# Altium PCB MB1605.PcbDoc (part 5 of 11) (continued)
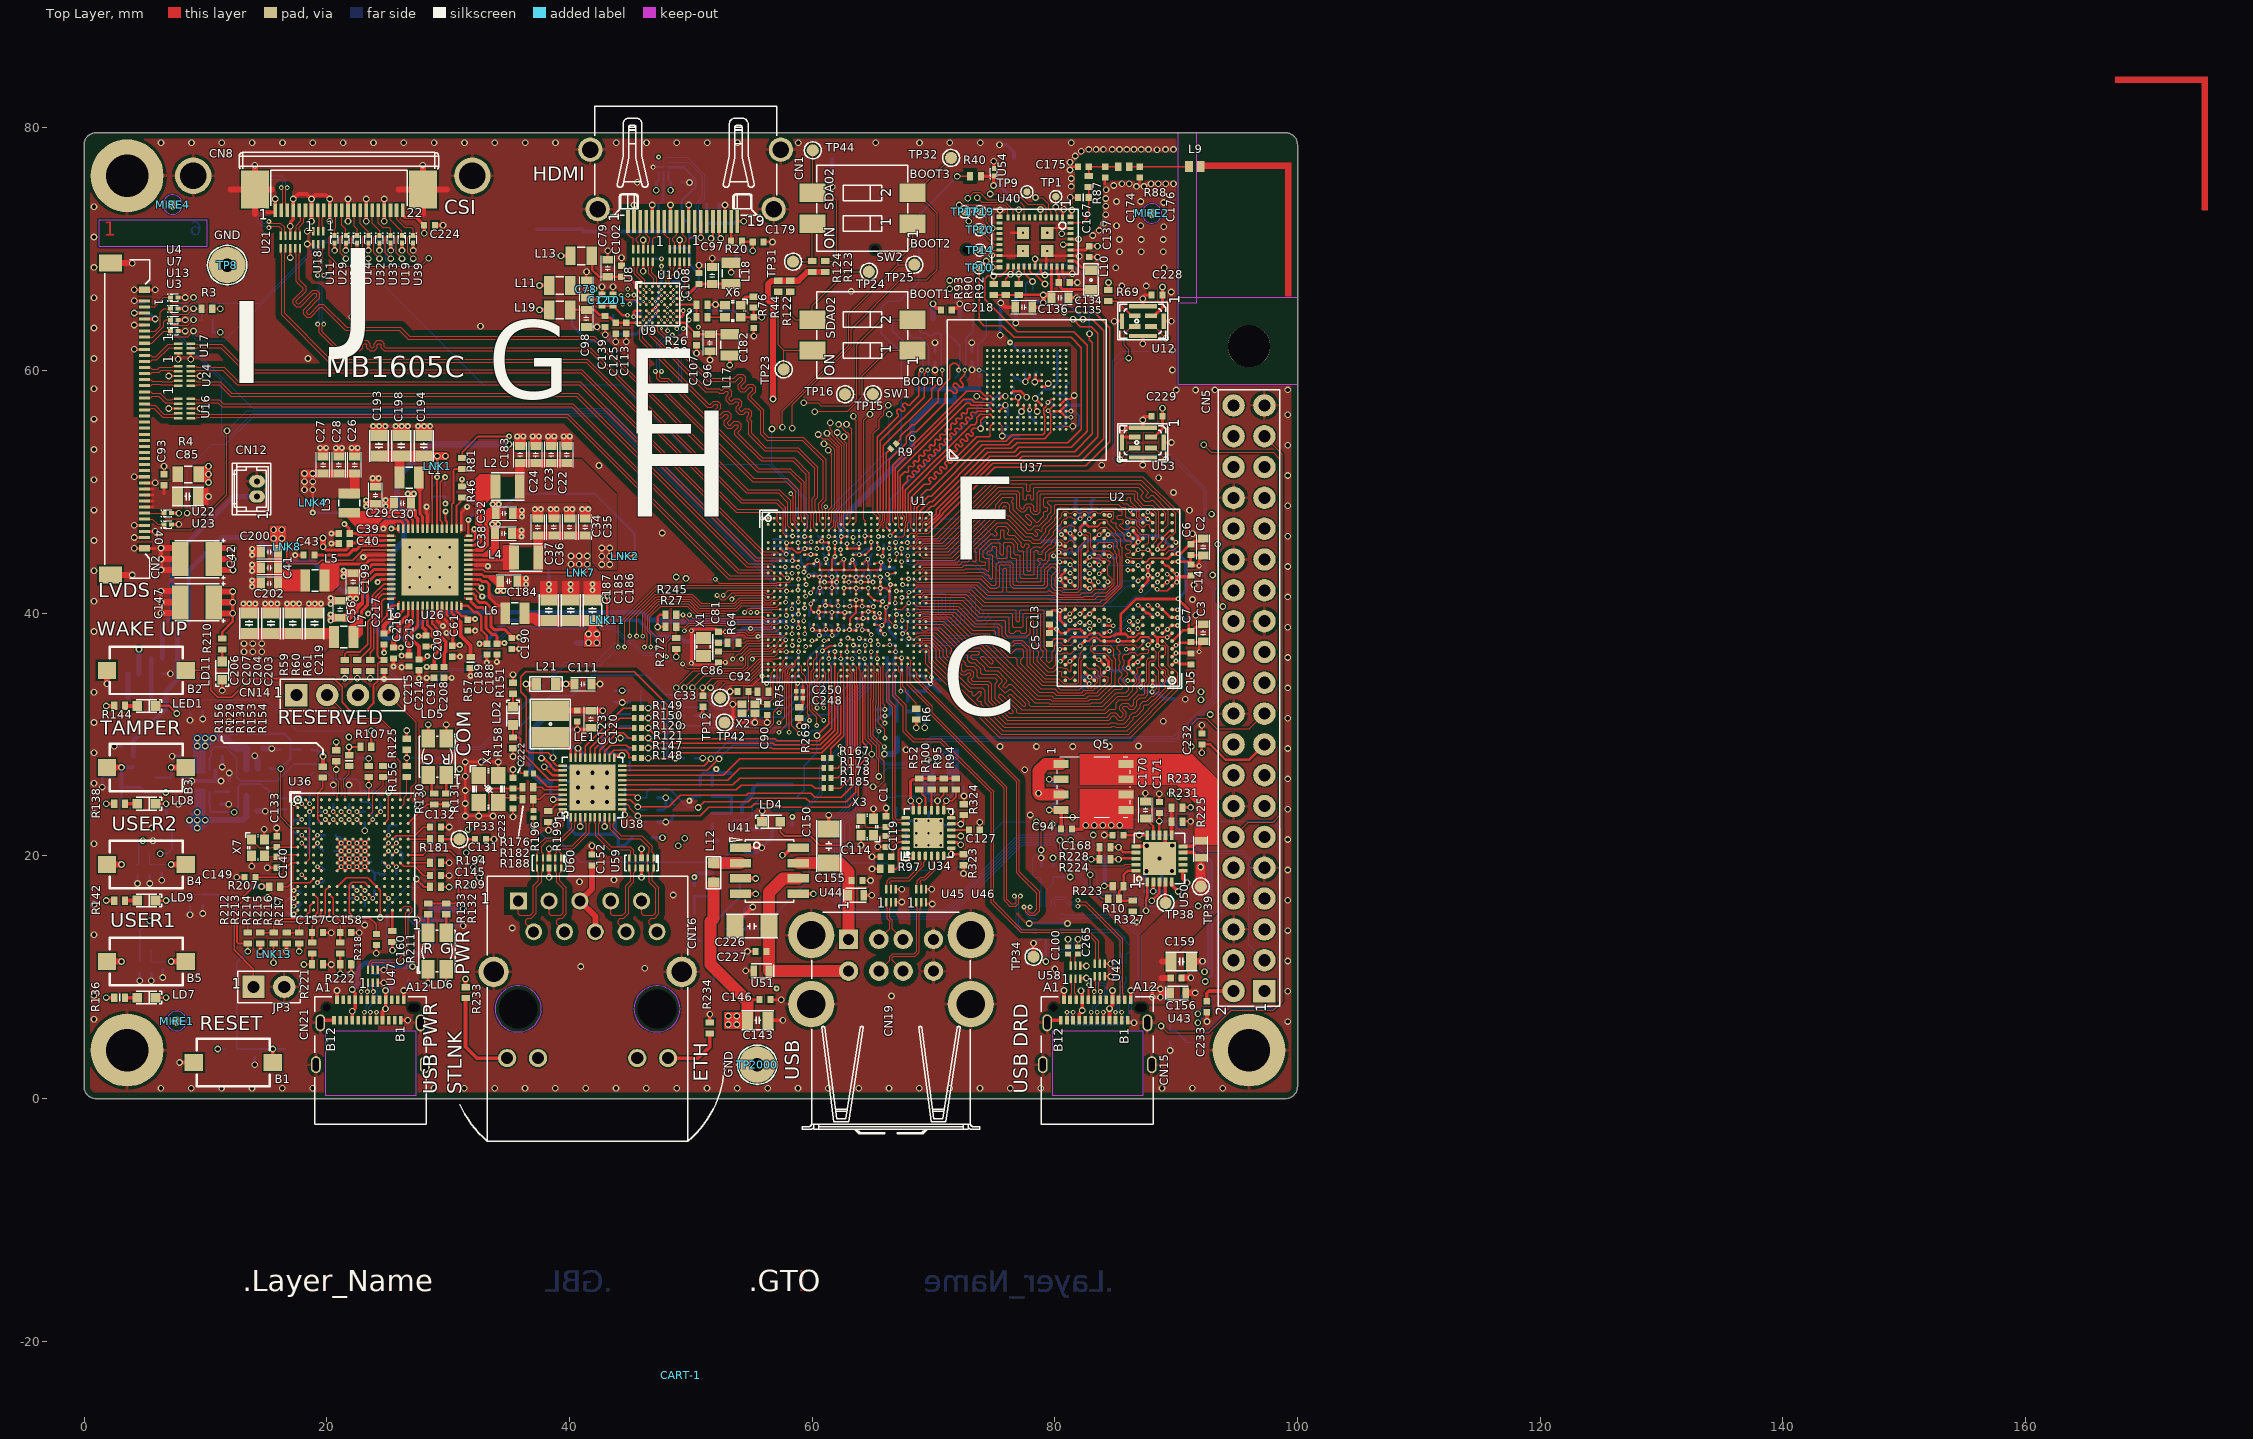
[diagram p0: Top Layer view]
## Nets (pads, with @x,y where several pads share a name; then routed paths per layer and width w, separated by ;. In a path a pad name is that pad's centre, name@x,y a point inside that pad or via, vN(x,y) a via of type N, cw(c..) or ccw(c..) an arc to the next point about the centre after c; other vN are vias at no path point) (continued)
  Signal Layer 1 w0.09: v5(46.086,63.342) v5(46.086,64.185)
DSI_CLK_P: U1.C7 U9.G2 | length 28.1
  Top Layer w0.09: U9.G2@46.336,63.935 46.038,63.637 45.964,63.637 45.791,63.464 45.791,62.544 51.21,57.126 51.293,57.042 51.367,56.969 51.72,56.969 51.986,57.235 52.132,57.235 52.229,57.138 52.229,56.992 51.936,56.699 51.936,56.346 52.18,56.103 52.533,56.103 52.826,56.395 52.972,56.395 53.069,56.298 53.069,56.152 52.776,55.859 52.776,55.506 53.02,55.263 53.373,55.263 53.666,55.555 53.812,55.555 53.909,55.458 53.909,55.312 53.643,55.046 53.643,54.693 53.762,54.573 53.846,54.489 55.788,52.548 58.415,52.548 59.531,51.432 59.531,48.2 59.695,48.036 59.695,47.752 59.625,47.682 59.625,47.174 59.625,47.073 59.377,46.825 U1.C7@59.375,46.825
DSI_D0_N: U1.C9 U9.F3 | length 28.2
  Top Layer w0.09: v5(46.586,63.464) 46.586,62.892 51.208,58.27 52.183,58.27 52.229,58.27 52.29,58.209 52.363,58.136 52.716,58.136 52.864,58.284 53.01,58.284 53.107,58.186 53.107,58.04 52.917,57.851 52.917,57.498 53.161,57.254 53.514,57.254 53.704,57.444 53.85,57.444 53.947,57.346 53.947,57.2 53.757,57.011 53.757,56.658 54.001,56.414 54.354,56.414 54.544,56.604 54.69,56.604 54.787,56.506 54.787,56.36 54.639,56.213 54.639,55.86 54.729,55.77 54.764,55.735 54.764,55.638 54.764,54.715 56.082,53.397 58.764,53.397 60.225,51.936 60.225,49.675 59.995,49.445 59.995,48.575 59.995,48.344 60.068,48.271 60.125,48.214 60.125,47.429 60.125,47.075 U1.C9@60.375,46.825 ; v5(46.586,64.185) U9.F3@46.836,64.435
  Signal Layer 1 w0.09: v5(46.586,63.464) v5(46.586,64.185)
DSI_D0_P: U1.B9 U9.G3 | length 27
  Top Layer w0.09: U9.G3@46.836,63.935 46.836,63.631 46.881,63.586 46.881,63.342 46.836,63.297 46.836,62.996 51.312,58.52 52.332,58.52 52.383,58.47 52.466,58.386 52.612,58.386 52.76,58.534 53.113,58.534 53.357,58.29 53.357,57.937 53.167,57.747 53.167,57.601 53.264,57.504 53.41,57.504 53.6,57.694 53.953,57.694 54.197,57.45 54.197,57.097 54.007,56.907 54.007,56.761 54.104,56.664 54.25,56.664 54.44,56.854 54.793,56.854 55.037,56.61 55.037,56.257 54.889,56.109 54.889,55.963 54.906,55.947 54.989,55.863 55.014,55.838 55.014,54.818 56.185,53.647 58.868,53.647 60.475,52.04 60.475,49.571 60.245,49.341 60.245,48.575 60.245,48.448 60.375,48.318 U1.B9@60.375,47.325
DSI_D1_N: U1.A10 U9.F4 | length 28
  Top Layer w0.09: U9.F4@47.336,64.435 v5(47.586,64.185) ; v5@47.598,63.452 v5(47.586,63.464) 47.586,63.301 51.523,59.364 53.26,59.364 53.391,59.364 53.409,59.346 53.555,59.346 53.916,59.707 54.269,59.707 54.513,59.463 54.513,59.11 54.144,58.741 54.144,58.595 54.242,58.498 54.387,58.498 54.756,58.867 55.109,58.867 55.353,58.623 55.353,58.27 54.992,57.909 54.992,57.763 55.659,57.097 56.014,56.741 56.014,54.873 56.382,54.505 59.278,54.505 61.15,52.633 61.15,49.346 60.78,48.976 60.78,48.632 60.875,48.537 U1.A10@60.875,47.825
  Signal Layer 1 w0.09: v5(47.586,63.464) v5(47.586,64.185)
DSI_D1_P: U1.B10 U9.G4 | length 28
  Top Layer w0.09: U9.G4@47.336,63.935 47.336,63.631 47.291,63.586 47.291,63.242 47.754,62.78 51.419,59.114 53.208,59.114 53.288,59.114 53.306,59.096 53.659,59.096 54.02,59.457 54.166,59.457 54.263,59.359 54.263,59.213 53.894,58.845 53.894,58.492 54.138,58.248 54.491,58.248 54.86,58.617 55.006,58.617 55.103,58.519 55.103,58.373 54.742,58.013 54.742,57.66 55.482,56.92 55.764,56.638 55.764,54.77 56.279,54.255 59.174,54.255 60.9,52.529 60.9,49.45 60.53,49.08 60.53,48.575 60.53,48.529 60.625,48.434 60.625,47.575 U1.B10@60.875,47.325
DSI_D2_N: U1.A7 U9.F5 | length 24.3
  Top Layer w0.09: v2(47.586,59.926) 47.586,59.844 47.461,59.719 47.461,59.458 47.547,59.372 48.141,59.372 55.597,51.916 58.216,51.916 59.341,50.792 59.341,48.066 59.375,48.032 U1.A7@59.375,47.825 ; U9.F5@47.836,64.435 v5(48.086,64.185)
  Signal Layer 1 w0.09: v5(48.086,64.185) 48.086,63.78 48.487,63.379 v2(48.487,62.933)
  Bottom Layer w0.09: v2(47.586,59.926) 47.461,60.051 47.461,62.099 48.294,62.933 v2(48.487,62.933)
DSI_D2_P: U1.B7 U9.G5 | length 24.1
  Top Layer w0.09: v2(47.086,59.926) 47.086,59.844 47.211,59.719 47.211,59.354 47.443,59.122 48.037,59.122 55.493,51.666 58.113,51.666 59.091,50.688 59.091,47.963 59.125,47.929 59.125,47.575 U1.B7@59.375,47.325 ; U9.G5@47.836,63.935 48.095,63.676 v2(48.095,63.28)
  Bottom Layer w0.09: v2(47.086,59.926) 47.211,60.051 47.211,62.203 48.095,63.087 v2(48.095,63.28)
DSI_D3_N: U1.B6 U9.F6 | length 25.8
  Top Layer w0.09: v2(47.425,58.348) 47.601,58.348 55.092,50.857 57.854,50.857 58.65,50.061 58.65,48.127 58.625,48.102 58.625,47.721 58.86,47.486 58.86,47.34 U1.B6@58.875,47.325 ; U9.F6@48.336,64.435 v5(48.586,64.185)
  Signal Layer 1 w0.09: v5(48.586,64.185) 48.962,63.81 49.039,63.81 v2(49.389,63.46)
  Bottom Layer w0.09: v2(47.425,58.348) 47.483,58.29 47.66,58.29 47.854,58.095 48.291,58.095 49.239,59.043 49.239,63.311 v2(49.389,63.46)
DSI_D3_P: U1.A6 U9.G6 | length 24
  Top Layer w0.09: v2(47.778,58.702) 47.778,58.525 48.241,58.062 55.196,51.107 57.958,51.107 58.9,50.165 58.9,48.024 58.875,47.999 U1.A6@58.875,47.825 ; U9.G6@48.336,63.935 48.352,63.935 48.824,63.462 v2(48.84,63.462)
  Bottom Layer w0.09: v2(47.778,58.702) 47.837,58.643 47.837,58.466 47.958,58.345 48.188,58.345 48.989,59.147 48.989,63.313 v2(48.84,63.462)
eMMC.SDMMC2_CK: R103.1 U1.B25 U37.M6 | length 19.1
  Top Layer w0.09: U1.B25@68.375,47.325 68.402,47.352 68.402,48.575 ; 79.175,55.037 79.175,55.273 ; 79.175,55.537 79.175,55.773 ; 79.175,56.037 79.175,56.273
  Top Layer w0.11: 68.402,48.575 68.402,49.127 69.459,50.184 69.734,50.184 73.725,54.175 75.95,54.175 76.481,54.706 79.022,54.706 79.175,54.858 79.175,55.037 ; 79.175,55.273 79.175,55.405 ; 79.175,55.407 79.175,55.537 ; 79.175,55.773 79.175,55.905 ; 79.175,55.907 79.175,56.037 ; 79.175,56.273 79.175,56.372 79.095,56.452 79.095,56.87 79.281,57.056 v2(79.425,57.375) 79.705,57.655 U37.M6@79.925,57.655
  Bottom Layer w0.11: v2(79.425,57.375) 79.762,57.375 80.076,57.061 R103.1@80.171,57.061
eMMC.SDMMC2_CMD: R104.1 U1.D24 U37.M5 | length 19.9
  Top Layer w0.09: U1.D24@67.875,46.325 68.125,46.575 68.479,46.575 68.625,46.721 ; 68.625,46.725 68.625,48.305 ; 79.675,55.037 79.675,55.273 ; 79.675,55.537 79.675,55.773 ; 79.675,56.037 79.675,56.273
  Top Layer w0.11: 68.625,48.305 68.625,48.699 69.588,49.662 69.816,49.662 74.029,53.875 76.15,53.875 76.674,54.399 79.162,54.399 79.469,54.705 79.675,54.911 79.675,55.037 ; 79.675,55.273 79.675,55.405 ; 79.675,55.407 79.675,55.537 ; 79.675,55.773 79.675,55.905 ; 79.675,55.907 79.675,56.037 ; 79.675,56.273 79.675,56.46 v2(79.45,56.685) U37.M5@79.92,57.155
  Bottom Layer w0.11: v2(79.45,56.685) 79.724,56.411 80.019,56.411 R104.1@80.175,56.255
eMMC.SDMMC2_D0: R101.1 U1.C24 U37.A3 | length 16
  Top Layer w0.09: U1.C24@67.875,46.825 67.88,46.83 67.88,47.467 67.985,47.572 67.985,48.335 67.902,48.418 67.902,48.575
  Top Layer w0.11: 67.902,48.575 67.902,49.85 71.229,53.177 71.487,53.435 71.597,53.435 71.743,53.289 71.852,53.289 71.962,53.399 71.962,53.508 71.778,53.692 71.778,53.801 71.888,53.911 71.998,53.911 72.181,53.727 72.291,53.727 72.4,53.837 72.4,53.947 72.217,54.13 72.217,54.24 72.326,54.349 72.436,54.349 72.62,54.166 72.729,54.166 72.839,54.275 72.839,54.385 72.655,54.569 72.655,54.678 72.765,54.788 72.874,54.788 73.058,54.604 73.168,54.604 73.277,54.714 73.277,54.823 73.131,54.969 73.131,55.079 73.279,55.227 v1(73.884,55.227) 73.884,55.909 74.13,56.155 U37.A3@74.425,56.155
  Bottom Layer w0.11: v1(73.884,55.227) 73.884,55.34 74.056,55.512 74.056,55.556 74.08,55.58 74.08,55.675 74.28,55.875 R101.1@74.375,55.875
eMMC.SDMMC2_D1: U1.B23 U37.A4 | length 18.8
  Top Layer w0.09: U1.B23@67.375,47.325 67.375,47.357 67.52,47.502 67.52,47.616 67.625,47.721 67.625,47.952 67.479,48.098 67.479,48.575
  Top Layer w0.11: 67.479,48.575 67.479,50.504 67.856,50.881 67.895,50.92 67.895,51.03 67.824,51.101 67.824,51.21 67.934,51.32 68.044,51.32 68.165,51.199 68.274,51.199 68.384,51.308 68.384,51.418 68.263,51.539 68.263,51.649 68.372,51.758 68.482,51.758 68.603,51.637 68.713,51.637 68.822,51.747 68.822,51.856 68.701,51.977 68.701,52.087 68.811,52.197 68.92,52.197 69.042,52.075 69.151,52.075 69.261,52.185 69.261,52.295 69.14,52.416 69.14,52.525 69.249,52.635 69.359,52.635 69.48,52.514 69.59,52.514 69.699,52.623 69.699,52.733 69.578,52.854 69.578,52.964 69.688,53.073 69.797,53.073 69.918,52.952 70.028,52.952 70.138,53.062 70.138,53.171 70.016,53.293 70.016,53.402 70.126,53.512 70.236,53.512 70.357,53.391 70.466,53.391 70.576,53.5 70.576,53.61 70.455,53.731 70.455,53.841 70.564,53.95 70.674,53.95 70.795,53.829 70.905,53.829 71.014,53.939 71.014,54.048 70.893,54.169 70.893,54.279 71.003,54.389 71.112,54.389 71.234,54.267 71.343,54.267 71.453,54.377 71.453,54.487 71.332,54.608 71.332,54.718 71.441,54.827 71.551,54.827 71.672,54.706 71.782,54.706 71.891,54.815 71.891,54.925 71.77,55.046 71.77,55.156 71.88,55.266 71.989,55.266 72.11,55.144 72.22,55.144 72.33,55.254 72.33,55.363 72.208,55.485 72.208,55.594 72.318,55.704 72.428,55.704 72.549,55.583 72.658,55.583 72.768,55.692 72.768,55.802 72.647,55.923 72.647,56.033 72.756,56.142 72.866,56.142 72.987,56.021 73.097,56.021 73.206,56.131 73.206,56.24 73.085,56.362 73.085,56.471 73.195,56.581 73.304,56.581 73.375,56.51 73.485,56.51 73.536,56.561 73.63,56.655 U37.A4@74.425,56.655
eMMC.SDMMC2_D2: U1.C23 U37.A5 | length 14.7
  Top Layer w0.09: 67.055,48.395 67.055,47.999 67.125,47.929 67.125,47.075 U1.C23@67.375,46.825
  Top Layer w0.11: 67.054,48.395 67.057,48.398 67.057,51.657 72.691,57.291 72.984,57.291 73.12,57.155 74.056,57.155 U37.A5@74.425,57.155
eMMC.SDMMC2_D3: U1.C25 U37.B2 | length 15.5
  Top Layer w0.09: 68.125,48.575 68.125,48.489 68.165,48.449 68.165,47.498 68.125,47.458 68.125,47.075 U1.C25@68.375,46.825 ; 74.675,54.705 74.675,55.273
  Top Layer w0.11: 68.125,48.575 68.125,49.525 69.225,50.625 69.647,50.625 69.723,50.702 69.762,50.741 69.762,50.85 69.621,50.991 69.621,51.101 69.731,51.211 69.84,51.211 70.004,51.046 70.114,51.046 70.224,51.156 70.224,51.266 70.059,51.43 70.059,51.539 70.169,51.649 70.279,51.649 70.443,51.485 70.552,51.485 70.662,51.594 70.662,51.704 70.498,51.868 70.498,51.978 70.607,52.087 70.717,52.087 70.881,51.923 70.991,51.923 71.1,52.033 71.1,52.142 70.936,52.307 70.936,52.416 71.046,52.526 71.155,52.526 71.32,52.362 71.429,52.362 71.539,52.471 71.539,52.581 71.375,52.745 71.375,52.855 71.484,52.964 71.594,52.964 71.735,52.823 71.845,52.823 71.887,52.865 73.582,54.56 74.596,54.56 74.675,54.639 74.675,54.705 ; 74.675,55.273 74.675,55.405 U37.B2@74.925,55.655
eMMC.SDMMC2_D4: U1.D22 U37.B3 | length 14.8
  Top Layer w0.09: U1.D22@66.875,46.325 67.5,46.325 67.625,46.45 67.625,47.075 67.7,47.15 67.7,47.541 67.805,47.647 67.805,48.17 67.7,48.275 ; 74.056,56.405 74.543,56.405
  Top Layer w0.11: 67.7,48.275 67.692,48.283 67.692,50.142 73.1,55.55 73.4,55.55 73.575,55.725 73.575,56.125 73.855,56.405 74.056,56.405 ; 74.543,56.405 74.675,56.405 U37.B3@74.925,56.155
eMMC.SDMMC2_D5: U1.A23 U37.B4 | length 17.3
  Top Layer w0.09: 67.267,48.575 67.267,48.055 67.349,47.973 67.349,47.851 U1.A23@67.375,47.825 ; 74.056,56.905 74.543,56.905
  Top Layer w0.11: 67.267,48.575 67.267,51.292 67.362,51.387 67.621,51.646 67.73,51.646 67.75,51.625 67.86,51.625 67.97,51.735 67.97,51.845 67.901,51.913 67.901,52.022 68.011,52.132 68.121,52.132 68.189,52.064 68.298,52.064 68.408,52.173 68.408,52.283 68.34,52.351 68.34,52.461 68.449,52.57 68.559,52.57 68.627,52.502 68.737,52.502 68.846,52.612 68.846,52.721 68.778,52.79 68.778,52.899 68.888,53.009 68.997,53.009 69.066,52.941 69.175,52.941 69.285,53.05 69.285,53.16 69.217,53.228 69.217,53.338 69.326,53.447 69.436,53.447 69.504,53.379 69.614,53.379 69.723,53.489 69.723,53.598 69.655,53.666 69.655,53.776 69.765,53.886 69.874,53.886 69.942,53.817 70.052,53.817 70.162,53.927 70.162,54.037 70.093,54.105 70.093,54.214 70.203,54.324 70.313,54.324 70.381,54.256 70.49,54.256 70.6,54.365 70.6,54.475 70.532,54.543 70.532,54.653 70.641,54.762 70.751,54.762 70.819,54.694 70.929,54.694 71.038,54.804 71.038,54.913 70.97,54.982 70.97,55.091 71.08,55.201 71.189,55.201 71.258,55.133 71.367,55.133 71.477,55.242 71.477,55.352 71.409,55.42 71.409,55.53 71.518,55.639 71.628,55.639 71.696,55.571 71.806,55.571 71.915,55.681 71.915,55.79 71.847,55.858 71.847,55.968 71.957,56.078 72.066,56.078 72.134,56.01 72.244,56.01 72.354,56.119 72.354,56.229 72.285,56.297 72.285,56.406 72.395,56.516 72.505,56.516 72.573,56.448 72.682,56.448 72.792,56.558 72.792,56.667 72.772,56.687 72.772,56.797 72.88,56.905 72.912,56.905 74.056,56.905 ; 74.543,56.905 74.675,56.905 U37.B4@74.925,56.655
eMMC.SDMMC2_D6: U1.A22 U37.B5 | length 14.8
  Top Layer w0.09: 66.847,48.356 66.847,48.176 66.875,48.148 U1.A22@66.875,47.825 ; 74.056,57.405 74.675,57.405
  Top Layer w0.096: 66.847,48.356 66.847,48.575
  Top Layer w0.11: 66.847,48.575 66.847,51.997 72.49,57.64 73.14,57.64 73.375,57.405 74.056,57.405 ; 74.675,57.405 U37.B5@74.925,57.155
eMMC.SDMMC2_D7: U1.B22 U37.B6 | length 16.1
  Top Layer w0.09: 66.625,48.575 66.625,47.575 U1.B22@66.875,47.325 ; 74.307,57.905 74.543,57.905
  Top Layer w0.11: 66.625,48.575 66.625,52.197 72.738,58.31 73.836,58.31 74.241,57.905 74.307,57.905 ; 74.543,57.905 74.675,57.905 U37.B6@74.925,57.655
ETH1.CLK: R196.1 U1.AF11 | length 39.2
  Top Layer w0.09: 61.375,34.075 U1.AF11@61.375,35.325
  Top Layer w0.11: v1(37.025,22.475) R196.1@37.025,23.15 ; v1(60.4,29.925) 61.375,30.9 61.375,34.075
  Bottom Layer w0.11: v1(37.025,22.475) 38.09,21.41 38.992,21.41 40.925,19.477 52.35,19.477 53.4,20.527 53.4,22.745 53.617,22.963 54.673,22.963 55.085,23.374 55.085,24.123 55.711,24.75 58.631,24.75 59.345,25.464 59.345,27.451 60.4,28.506 v1(60.4,29.925)
ETH1.CLK125: R176.1 U1.AA13 | length 36.5
  Top Layer w0.11: v1(35.905,27.657) 35.938,27.625 35.938,26.864 36.002,26.8 R176.1@36.425,26.8 ; v3(62.325,37.425) U1.AA13@62.375,37.825
  Bottom Layer w0.11: v1(35.905,27.657) 35.905,30.656 38.461,33.211 40.216,33.211 41.887,34.883 46.382,34.883 47.968,33.297 51.728,33.297 52,33.025 58.13,33.025 59.18,34.075 59.653,34.548 59.653,36.273 60.654,37.274 62.116,37.274 62.266,37.425 v3(62.325,37.425)
ETH1.GTX_CLK: R161.1 U1.AB14 | length 2
  Top Layer w0.11: v3(62.875,36.825) U1.AB14@62.875,37.325
  Bottom Layer w0.11: R161.1@62.506,35.525 62.506,35.879 62.875,36.248 v3(62.875,36.825)
ETH1.MDC: R195.1 U1.AF15 U38.13 | length 30.7
  Top Layer w0.09: U1.AF15@63.375,35.318 63.375,35.293 63.515,35.153 63.515,34.075
  Top Layer w0.11: U38.13@44.35,24.65 45.02,24.65 v1(45.625,24.045) 48.17,24.045 49.13,25.005 54.552,25.005 54.724,25.178 59.89,25.178 60.214,24.853 62.409,24.853 63.377,25.821 63.377,28.652 63.515,28.79 63.515,34.075
  Bottom Layer w0.11: v1(45.625,24.045) 45.87,23.8 R195.1@46.37,23.8
ETH1.MDINT: R318.1 U1.AC13 U38.31 | length 43.6
  Top Layer w0.11: U38.31@39.45,27.45 38.95,27.45 38.676,27.724 38.676,28.074 v1(38.65,28.1) 38.245,28.505 36.677,28.505 36.455,28.727 36.455,33.075 35.985,33.545 35.985,34.775 36.385,35.175 45.356,35.175 48.07,32.461 48.07,31.354 48.714,30.71 v1(49.28,30.71) ; v3(62.375,36.25) U1.AC13@62.375,36.825
  Bottom Layer w0.11: v1(38.65,28.1) R318.1@38.65,28.825 ; v1(49.28,30.71) 51.233,30.71 51.394,30.55 57.777,30.55 60.458,33.23 60.458,33.588 61.525,34.655 61.525,35.82 61.94,36.235 62.36,36.235 v3(62.375,36.25)
ETH1.MDIO: R191.1 U1.AE15 U38.14 | length 32.1
  Top Layer w0.09: U1.AE15@63.375,35.825 63.695,35.505 63.695,34.164 63.725,34.134 63.725,34.075
  Top Layer w0.11: U38.14@44.35,25.05 45.344,25.05 45.594,24.8 v1(45.625,24.8) ; v1(50.625,24) 51.1,24.475 54.742,24.475 55.017,24.75 59.493,24.75 59.787,24.455 62.803,24.455 63.587,25.24 63.587,28.565 63.725,28.703 63.725,34.075
  Bottom Layer w0.11: v1(45.625,24.8) R191.1@46.37,24.8 46.37,25.292 46.611,25.533 48.232,25.533 49.764,24 v1(50.625,24)
ETH1.NRST: R205.1 U1.AF17 U38.12 | length 33
  Top Layer w0.09: 64.154,34.075 64.154,34.693 64.125,34.721 64.125,35.075 U1.AF17@64.375,35.325
  Top Layer w0.1: U38.12@44.35,24.25 44.775,24.25 44.98,24.045 44.98,23.945 v1(45.625,23.3)
  Top Layer w0.11: v1(45.625,23.3) 50.8,23.3 51.495,23.995 54.956,23.995 55.272,24.311 56.565,24.311 56.881,23.995 62.986,23.995 63.797,24.806 63.797,27.389 64.457,28.048 64.457,29.066 64.154,29.369 64.154,34.075
  Bottom Layer w0.11: v1(45.625,23.3) 45.637,23.288 45.637,22.924 45.761,22.8 R205.1@46.37,22.8
ETH1.RX_CLK: R109.1 R149.1 R305.2 U1.AB12 | length 21.4
  Top Layer w0.11: R149.1@45.945,32.185 v1(46.501,32.185) ; v3(60.842,36.894) 61.475,37.325 U1.AB12@61.875,37.325
  Bottom Layer w0.11: R109.1@45.87,33.625 R305.2@45.87,32.651 45.87,32.579 46.07,32.379 46.217,32.379 v1@46.411,32.185 ; v1(46.501,32.185) 47.103,32.786 51.372,32.786 52.079,32.08 57.028,32.08 57.176,32.227 57.977,32.227 60.4,34.65 60.4,36.452 v3(60.842,36.894)
ETH1.RX_CTL: R110.1 R150.1 R304.2 U1.AD12 | length 21.4
  Top Layer w0.11: R150.1@45.945,31.365 v1(46.501,31.365) ; U1.AD12@61.875,36.325 v3(61.875,36.85)
  Bottom Layer w0.11: R304.2@45.87,31.67 46.175,31.365 v1(46.501,31.365) 46.97,31.365 47.339,31.735 47.339,32.014 47.575,32.25 51.144,32.25 51.969,31.425 57.752,31.425 60.402,34.075 60.975,34.648 60.975,36.4 61.425,36.85 v3(61.875,36.85)
ETH1.RXD0: R111.1 R120.1 R293.2 U1.AE11 | length 23.3
  Top Layer w0.09: U1.AE11@61.375,35.825 61.625,35.575 61.625,35.221 61.605,35.201 61.605,34.075
  Top Layer w0.11: R120.1@45.945,30.544 v1(46.501,30.545) ; v1(46.501,30.545) 47.371,29.675 56.933,29.675 57.113,29.495 60.595,29.495 61.605,30.505 61.605,34.075
  Bottom Layer w0.11: R293.2@45.87,30.688 46.014,30.545 v1(46.501,30.545) R111.1@47.17,30.545
ETH1.RXD1: R112.1 R121.1 R292.2 U1.AE12 | length 23.5
  Top Layer w0.11: R121.1@45.945,29.72 v1(46.501,29.72) ; v1(46.501,29.72) 46.946,29.275 56.813,29.275 56.938,29.15 60.654,29.15 61.85,30.346 61.85,34.075 61.85,35.15 61.875,35.175 ; 61.875,35.178 U1.AE12@61.875,35.793
  Bottom Layer w0.11: R292.2@45.87,29.72 v1(46.501,29.72) 46.98,29.72 R112.1@47.17,29.53
ETH1.RXD2: R113.2 R147.1 U1.AF13 | length 22.7
  Top Layer w0.09: 62.1,34.075 62.1,35.05 U1.AF13@62.375,35.325
  Top Layer w0.11: R147.1@45.945,28.898 v1(46.501,28.898) ; v1(46.501,28.898) 56.657,28.898 56.73,28.825 60.735,28.825 62.1,30.19 62.1,34.075
  Bottom Layer w0.11: R113.2@45.87,28.75 46.018,28.898 v1(46.501,28.898)
ETH1.RXD3: R114.1 R148.1 R303.2 U1.AG13 | length 23.4
  Top Layer w0.09: 62.362,34.075 62.362,34.812 U1.AG13@62.375,34.825
  Top Layer w0.11: R148.1@45.944,28.065 48.132,28.065 48.562,28.495 60.776,28.495 62.362,30.081 62.362,34.075
  Bottom Layer w0.11: R303.2@45.87,27.785 46.15,28.065 v1(46.5,28.065) R114.1@47.17,28.065
ETH1.TX_CTL: R164.1 U1.AD14 | length 1.2
  Top Layer w0.09: U1.AD14@62.875,36.325 63.146,36.325 63.221,36.25 v3(63.305,36.25)
  Bottom Layer w0.11: v3(63.305,36.25) 63.305,35.54 R164.1@63.319,35.525
ETH1.TXD0: R167.1 U1.AE13 | length 8.3
  Top Layer w0.09: U1.AE13@62.375,35.825 62.625,35.575 62.625,34.075
  Top Layer w0.11: R167.1@61.545,28.065 61.545,28.845 62.625,29.925 62.625,34.075
ETH1.TXD1: R173.1 U1.AG14 | length 8.5
  Top Layer w0.11: R173.1@61.56,27.24 62.115,27.24 62.747,27.872 62.747,28.913 62.875,29.041 62.875,34.075 U1.AG14@62.875,34.825
ETH1.TXD2: R178.1 U1.AF14 | length 10
  Top Layer w0.09: U1.AF14@62.875,35.325 62.898,35.302 62.898,35.156 63.125,34.929 63.125,34.164 63.085,34.124 63.085,34.075
  Top Layer w0.11: R178.1@61.56,26.465 62.145,26.465 62.957,27.277 62.957,28.826 63.085,28.954 63.085,34.075
ETH1.TXD3: R185.1 U1.AE14 | length 11.6
  Top Layer w0.09: U1.AE14@62.875,35.825 63.125,35.575 63.125,35.221 63.305,35.041 63.305,34.075
  Top Layer w0.11: R185.1@61.56,25.59 62.331,25.59 63.167,26.426 63.167,28.739 63.305,28.877 63.305,34.075
EXP_GPIO2: CN5.3 R246.1 U1.Y6 | length 68.4
  Top Layer w0.09: U1.Y6@58.875,38.325 58.928,37.865 v3(58.939,37.77)
  Signal Layer 3 w0.1: v3(58.939,37.77) 58.939,37.394 57.665,36.12 57.665,33.975 54.859,31.169 54.859,30.73 63.042,22.548 67.529,22.548 67.538,22.538 71.155,22.538 71.63,22.063 72.512,22.063 75.27,19.305 80.585,19.305 82.409,21.129 82.576,21.129 v1(83.17,21.723)
  Bottom Layer w0.1: v1(83.17,21.723) 83.17,20.994 83.406,20.758 R246.1@84.074,20.758 84.563,20.758 86.049,22.244 87.25,22.244 88.344,23.338 89.455,23.338 92.556,20.238 95.432,20.238 96,19.669 96,19.563 95.995,19.558 95.995,12.685 CN5.3@97.27,11.41
EXP_GPIO3: CN5.5 R245.1 U1.V3 | length 78.9
  Top Layer w0.09: 56.183,38.89 56.188,38.895 56.553,38.895 56.733,39.075 57.125,39.075 U1.V3@57.374,39.324
  Top Layer w0.1: R245.1@48.805,39.873 48.812,39.866 v2(49.358,39.866) 49.83,39.394 50.019,39.394 50.021,39.392 50.476,39.392 50.478,39.394 53.081,39.394 53.381,39.094 55.843,39.094 56.047,38.89 56.183,38.89
  Signal Layer 3 w0.1: v2(49.358,39.866) 47.467,39.866 46.842,39.241 46.842,38.694 48.694,36.842 48.982,36.842 49.7,36.125 49.7,35.73 51.105,34.325 51.825,34.325 52.081,34.069 52.081,30.428 56.393,26.116 56.393,23.276 64.57,15.1 70.687,15.1 71.517,15.93 74.628,15.93 76.679,13.879 84.642,13.879 85.826,15.063 96.157,15.063 CN5.5@97.27,13.95
EXP_GPIO4: CN5.7 TP11.1 U1.AE4 | length 54.9
  Top Layer w0.09: 57.525,34.075 57.525,34.441 57.585,34.501 57.585,35.152 57.625,35.192 57.625,35.467 57.848,35.69 57.848,35.798 U1.AE4@57.875,35.825
  Top Layer w0.1: v2(57.275,31.8) 57.525,32.05 57.525,34.075
  Signal Layer 3 w0.1: v2(57.275,31.8) 56.721,31.246 56.721,29.928 62.173,24.476 67.209,24.476 67.708,24.975 71.553,24.975 72.463,24.065 78.297,24.065 79.377,22.985 79.43,22.985 v1(79.78,22.635)
  Bottom Layer w0.1: v1(79.78,22.635) 81.517,22.635 81.907,23.025 TP11.1@86.412,23.025 87.674,23.025 88.187,23.538 89.538,23.538 92.639,20.438 95.514,20.438 96.2,19.752 96.2,19.48 96.195,19.475 96.195,17.565 CN5.7@97.27,16.49
EXP_GPIO5: CN5.29 U1.AG10 | length 58.6
  Top Layer w0.09: 60.679,34.372 60.875,34.568 U1.AG10@60.875,34.825
  Top Layer w0.1: 60.679,34.372 60.623,34.316 60.623,33.097 v2(60.956,32.765)
  Signal Layer 3 w0.1: v2(60.956,32.765) 60.956,32.708 61.51,32.154 61.51,30.947 61.225,30.662 61.225,27.708 61.758,27.175 66.164,27.175 66.915,26.424 70.054,26.424 71.336,27.706 88.913,27.706 91.693,30.486 91.693,30.941 92.385,31.633 92.385,31.834 92.83,32.279 92.83,41.98 93,42.15 v1(93,43.15)
  Signal Layer 4 w0.1: v1(93,43.15) 93.086,43.064 93.254,43.064 93.36,42.959 93.609,42.959 93.8,43.15 95.99,43.15 CN5.29@97.27,44.43
EXP_GPIO6: CN5.31 U1.AD16 | length 94.3
  Top Layer w0.1: U1.AD16@63.875,36.325 64.219,36.271 v3(64.323,36.254)
  Signal Layer 3 w0.1: v1(91.824,15.875) 91.824,18.264 93.855,20.295 95.572,20.295 96,20.723 96,21.037 95.995,21.042 95.995,23.118 96.15,23.273 96.15,24.7 96.852,25.403 97.935,25.403 98.545,26.013 98.545,45.695 CN5.31@97.27,46.97
  Bottom Layer w0.1: v3(64.323,36.254) 64.33,36.248 64.33,35.966 64.438,35.858 64.438,34.135 64.379,34.075 63.187,32.883 63.187,23.983 62.08,22.876 62.08,16.571 63.431,15.22 71.049,15.22 77.169,21.34 79.854,21.34 80.244,21.73 81.505,21.73 82.17,21.065 82.17,20.067 82.168,20.064 82.168,18.256 83.674,16.75 86.535,16.75 87.176,16.11 87.494,16.11 87.729,15.875 v1(91.824,15.875)
EXP_GPIO7: CN5.26 U1.R5 | length 73.8
  Top Layer w0.1: v3(58.325,40.376) U1.R5@58.375,40.825
  Signal Layer 2 w0.1: v1(89.5,25.126) 93.235,28.861 93.235,37.855 CN5.26@94.73,39.35
  Signal Layer 3 w0.1: v3(58.325,40.376) 58.315,40.366 57.72,40.366 56.885,39.531 56.885,34.338 54.059,31.512 54.059,30.304 57.826,26.537 57.826,25.467 61.965,21.327 65.437,21.327 67.785,18.979 74.465,18.979 74.939,18.505 80.917,18.505 82.74,20.329 84.118,20.329 85.304,21.514 85.77,21.514 86.471,22.215 86.471,24.107 86.808,24.444 88.818,24.444 v1(89.5,25.126)
EXP_GPIO8: CN5.24 U1.AF10 | length 48.4
  Top Layer w0.09: U1.AF10@60.875,35.325 61.125,35.075 61.125,34.485
  Top Layer w0.1: v2(60.973,33.601) 60.973,34.333 61.125,34.485
  Signal Layer 3 w0.1: v2(60.973,33.601) 61.71,32.865 61.71,30.864 61.425,30.579 61.425,27.791 61.841,27.375 66.247,27.375 66.997,26.624 69.971,26.624 71.289,27.942 88.866,27.942 91.493,30.569 91.493,31.024 92.185,31.716 92.185,31.917 92.63,32.362 92.63,32.943 v1(92.047,33.525)
  Signal Layer 4 w0.1: v1(92.047,33.525) 93.086,34.564 93.086,35.166 CN5.24@94.73,36.81
EXP_GPIO9: CN5.21 U1.AC9 | length 53.3
  Top Layer w0.09: 59.925,34.442 59.925,35.225 60.125,35.425 60.125,36.125 60.375,36.375 U1.AC9@60.375,36.825
  Top Layer w0.1: 59.925,34.442 60.023,34.344 60.023,32.093 60.451,31.666 60.469,31.666 v2(60.96,31.175)
  Signal Layer 3 w0.1: v2(60.96,31.175) 60.96,31.101 60.825,30.966 60.825,27.542 62.23,26.137 65.263,26.137 65.387,26.013 71.087,26.013 71.276,26.203 78.231,26.203 78.782,26.754 79.742,26.754 80.392,26.104 86.091,26.104 86.962,26.975 91.575,26.975 92.81,28.21 v1(92.81,31.658)
  Signal Layer 4 w0.1: v1(92.81,31.658) 92.826,31.674 92.826,32.083 93.778,33.035 96.035,33.035 CN5.21@97.27,34.27
EXP_GPIO10: CN5.19 U1.AF9 | length 49.8
  Top Layer w0.09: 60.125,34.59 60.125,35.075 U1.AF9@60.375,35.325
  Top Layer w0.1: 60.125,34.59 60.223,34.492 60.223,32.412 60.408,32.228 v2(60.408,32.204) ; 91.25,30.798 91.796,31.344 92.47,31.344 93.343,30.47 96.01,30.47 CN5.19@97.27,31.73 ; v1@91.251,29.025 91.251,30.798
  Signal Layer 3 w0.1: v2(60.408,32.204) 61.087,31.525 61.105,31.525 61.31,31.32 61.31,31.03 61.025,30.745 61.025,27.625 61.675,26.975 66.058,26.975 66.809,26.224 71.015,26.224 71.194,26.403 78.148,26.403 78.699,26.954 79.824,26.954 80.474,26.304 86.008,26.304 86.91,27.206 89.431,27.206 v1(91.25,29.025)
EXP_GPIO11: CN5.23 U1.AB8 | length 52.1
  Top Layer w0.1: v3(59.469,37.256) 59.802,37.313 U1.AB8@59.875,37.325
  Signal Layer 3 w0.1: v3(59.469,37.256) 59.469,36.102 61.497,34.075 61.91,33.662 61.91,30.782 61.625,30.496 61.625,27.874 61.924,27.575 66.329,27.575 67.08,26.824 69.889,26.824 71.206,28.142 88.783,28.142 91.293,30.651 91.293,31.107 91.985,31.799 91.985,32 92.047,32.062 v1(92.047,32.869)
  Signal Layer 4 w0.1: v1(92.047,32.869) 93.655,34.477 93.655,34.715 94.285,35.345 95.805,35.345 CN5.23@97.27,36.81
EXP_GPIO12: CN5.32 U1.AE17 | length 54.9
  Top Layer w0.09: U1.AE17@64.375,35.825 64.625,35.575 64.625,34.635
  Top Layer w0.1: 64.625,34.635 64.625,29.701 65.331,28.995 65.331,28.141 65.5,27.973 v1(65.5,26.55)
  Bottom Layer w0.1: v1(65.5,26.55) 66.235,27.285 67.799,27.285 69.98,29.466 86.704,29.466 86.719,29.48 87.071,29.48 87.085,29.466 90.016,29.466 93.425,32.874 93.425,45.028 93.855,45.457 93.855,46.095 CN5.32@94.73,46.97